# Altium PCB TCM.PcbDoc (part 8 of 10) (continued)
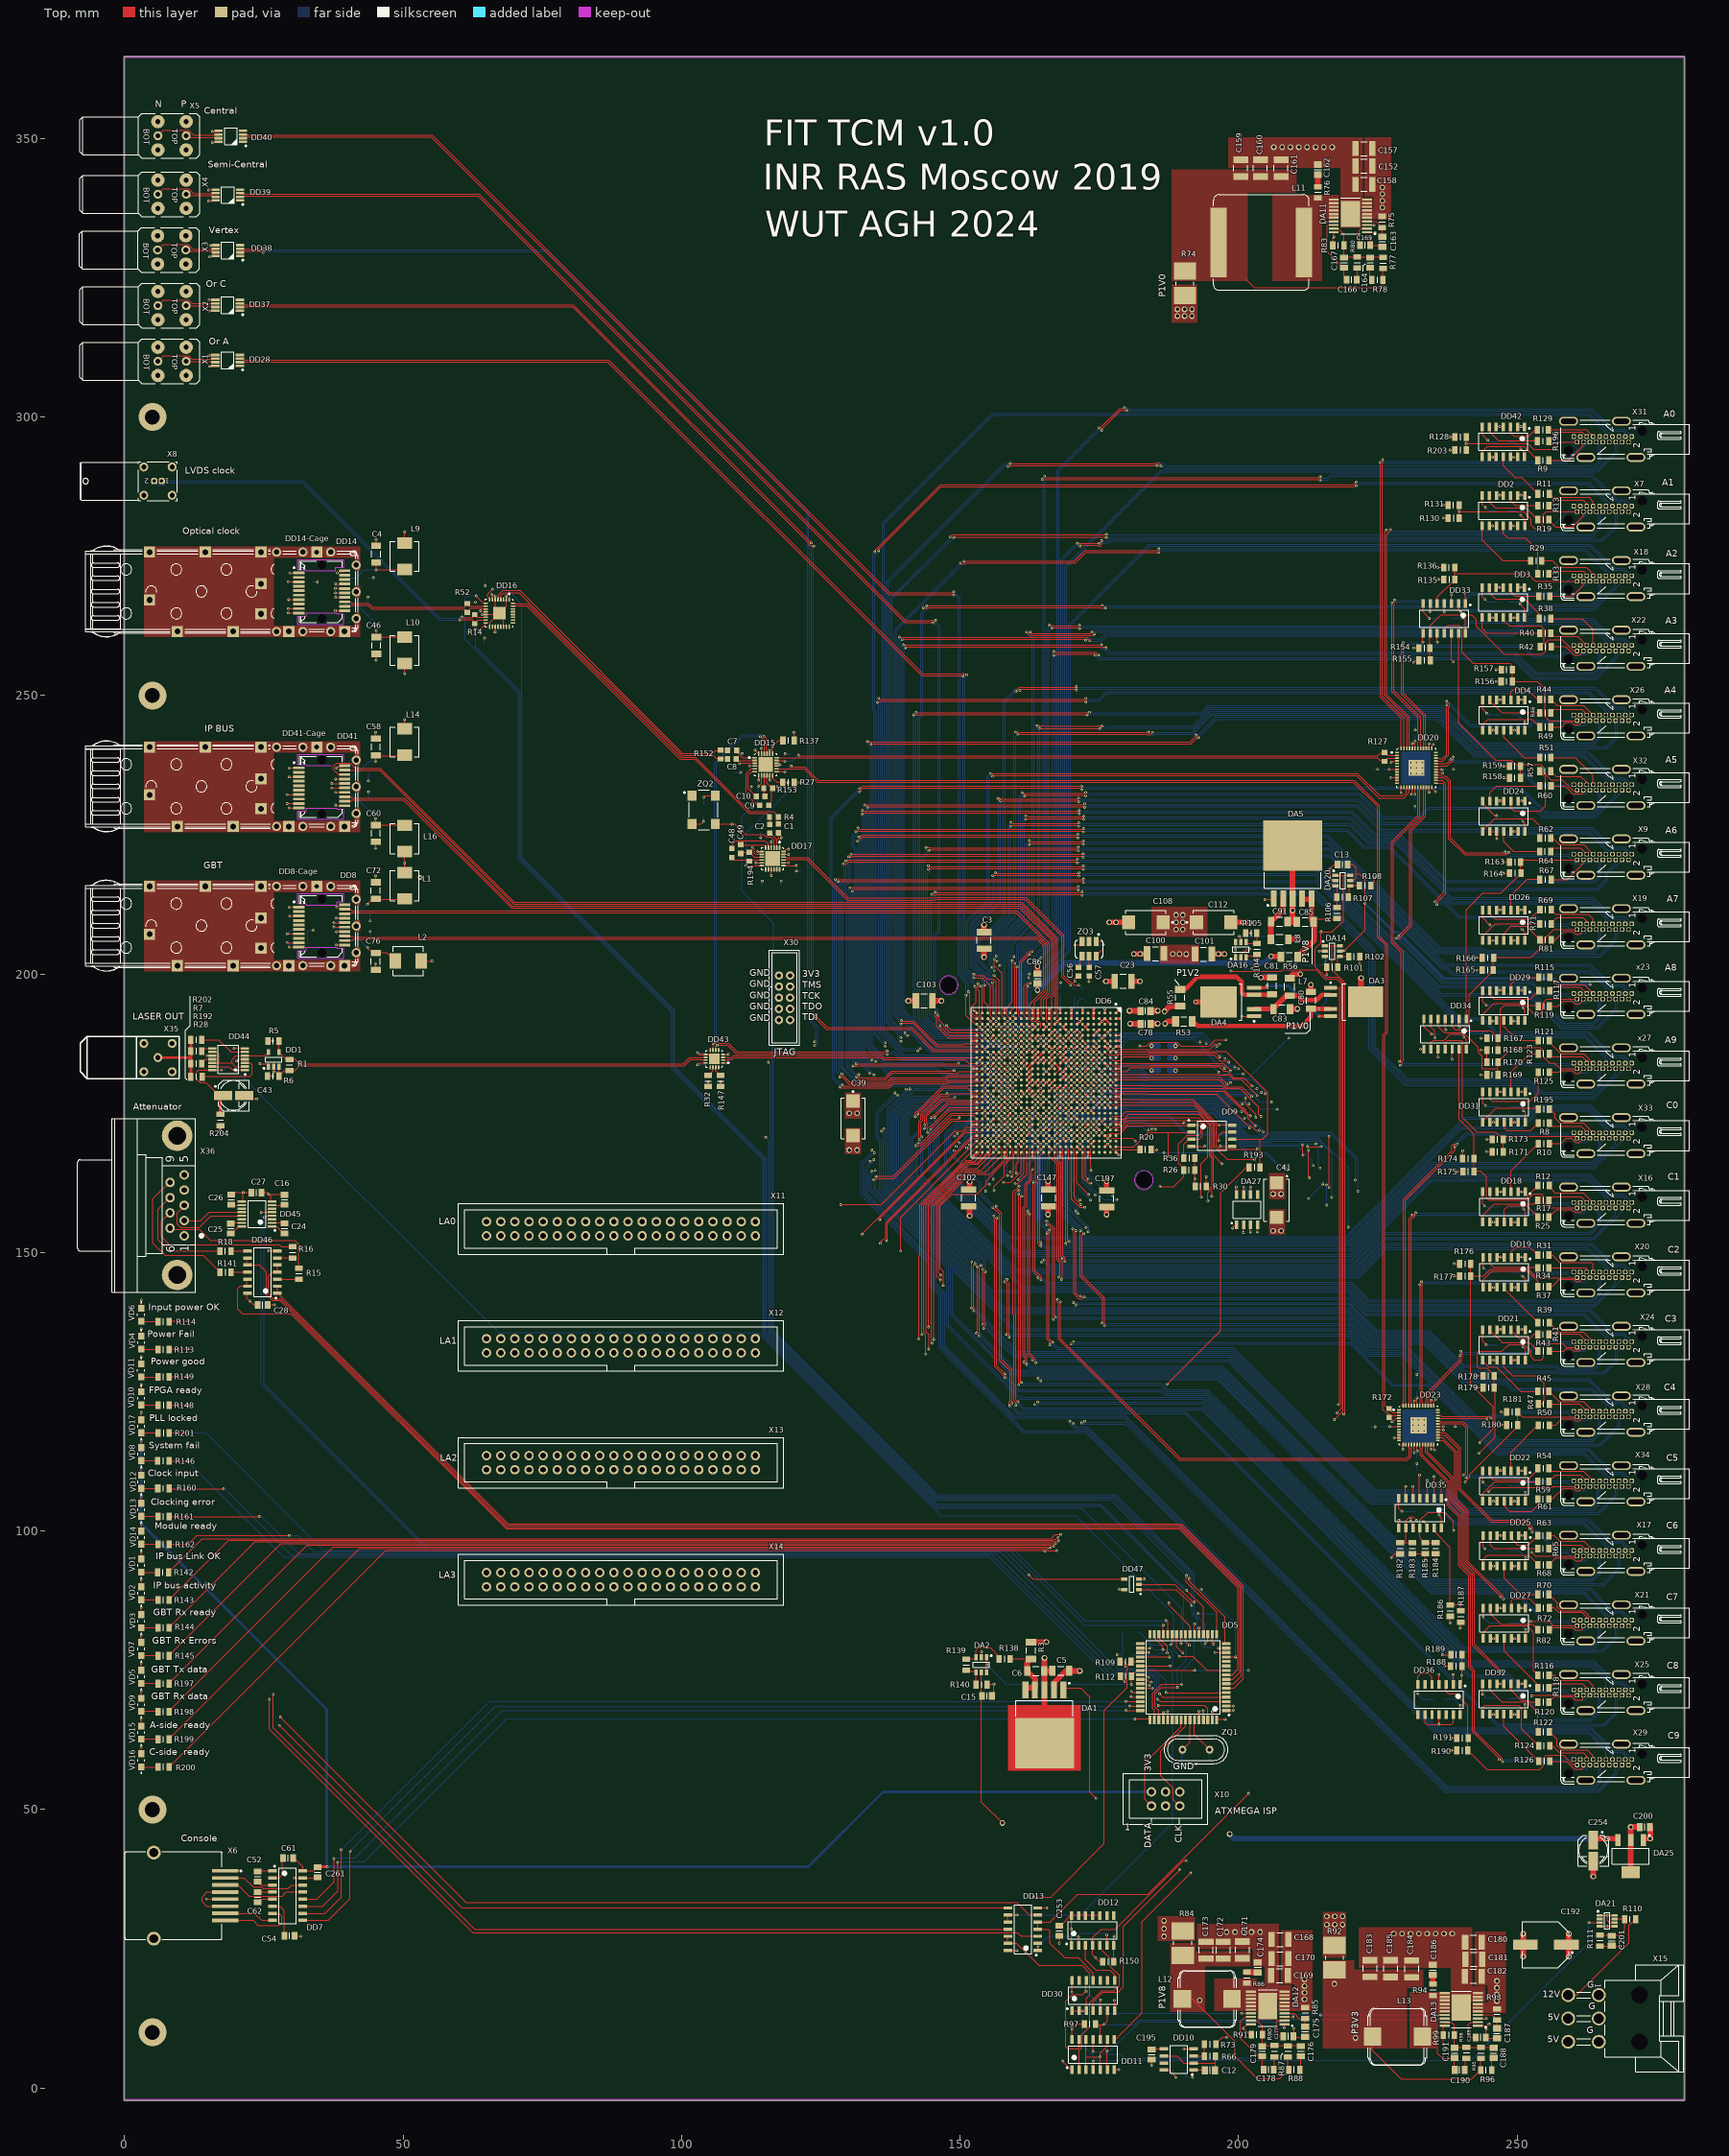
[diagram p0: Top view]
## Nets (pads, with @x,y where several pads share a name; then routed paths per layer and width w, separated by ;. In a path a pad name is that pad's centre, name@x,y a point inside that pad or via, vN(x,y) a via of type N, cw(c..) or ccw(c..) an arc to the next point about the centre after c; other vN are vias at no path point) (continued)
NetR145_2: R145.2 VD7.1 | length 3
  Top w0.15: VD7.1@3,77.65 R145.2@6,77.65
NetR146_2: R146.2 VD8.1 | length 3
  Top w0.15: VD8.1@3,112.65 R146.2@5.977,112.65
NetR148_2: R148.2 VD10.2 | length 3
  Top w0.15: VD10.2@3,122.65 R148.2@6,122.65
NetR149_2: R149.2 VD11.2 | length 3
  Top w0.15: VD11.2@3,127.65 R149.2@5.977,127.65
NetR160_2: R160.2 VD12.1 | length 3
  Top w0.15: VD12.1@3,107.65 R160.2@5.977,107.65
NetR161_2: R161.2 VD13.1 | length 3
  Top w0.15: VD13.1@3,102.65 R161.2@6,102.65
NetR162_2: R162.2 VD14.1 | length 3
  Top w0.15: VD14.1@3,97.65 R162.2@6,97.65
NetR195_1: R195.1 X33.13 | length 10
  Top w0.15: R195.1@255.831,175.814 256.816,174.829 256.816,174.12 257.689,173.247 261.923,173.247 X33.13@263.67,171.5
NetR196_1: R196.1 X31.15 | length 7.8
  Top w0.15: R196.1@255.769,295.737 255.945,295.737 257.548,297.34 261.675,297.34 X31.15@262.515,296.5
NetR197_2: R197.2 VD5.1 | length 3
  Top w0.15: VD5.1@3,72.65 R197.2@6,72.65
NetR198_2: R198.2 VD9.1 | length 3
  Top w0.15: VD9.1@3,67.65 R198.2@6,67.65
NetR199_2: R199.2 VD15.1 | length 3
  Top w0.15: VD15.1@3,62.65 R199.2@6,62.65
NetR200_2: R200.2 VD16.1 | length 3
  Top w0.15: VD16.1@3,57.65 R200.2@6,57.65
NetR201_2: R201.2 VD17.1 | length 3
  Top w0.15: VD17.1@3,117.65 R201.2@6,117.65
NetX6_4: X6.4 X6.6 | length 9.1
  Top w0.15: X6.6@17.7,32.64 14.742,32.64 13.915,33.467 13.915,34.305 14.789,35.18 X6.4@17.7,35.18
OrA_N: DD6.AE2 DD28.3 | length 217.8
  Top w0.1: 153.5,195.5 153.5,192.766 154,192.267 DD6.AE2@154,192
  Top w0.2: DD28.3@20.5,310.42 21.3,310.42 21.451,310.269 86.9,310.269 143.3,253.87 150.216,253.87 150.356,254.01 150.762,254.01 151.029,253.742 v1(151.196,253.742) ; v1(153.208,198.324) 153.208,197.222 153.5,196.929 153.5,195.5
  Bot w0.2: v1(151.196,253.742) 151.196,253.464 150.909,253.177 150.909,209.927 150.753,209.771 150.753,200.321 152.749,198.324 v1(153.208,198.324)
OrA_P: DD6.AE3 DD28.2 | length 218.5
  Top w0.1: 152.837,195.5 152.837,194.873 152.17,194.206 152.17,193.795 152.105,193.729 152.105,193.014 152.654,192.465 153.243,192.465 153.525,192.183 153.525,191.475 DD6.AE3@154,191
  Top w0.2: DD28.2@20.5,309.77 21.3,309.77 21.449,309.919 86.755,309.919 143.155,253.52 v1(150.559,253.52) ; v1(152.67,197.776) 152.837,197.609 152.837,195.5
  Bot w0.2: v1(150.559,253.52) 150.559,210.072 150.403,209.916 150.403,200.174 152.67,197.907 v1(152.67,197.776)
OrB_N: DD6.AF8 DD37.3 | length 237.9
  Top w0.1: 150.5,186.15 152.85,186.15 DD6.AF8@153,186
  Top w0.2: DD37.3@20.541,320.352 20.625,320.269 21.481,320.269 21.59,320.16 80.552,320.16 v1(123.312,277.4) ; v1(123.9,192.06) 124.04,192.06 124.04,192.055 126.021,190.074 141.238,190.074 145.16,186.153 150.347,186.153 150.35,186.15 150.5,186.15
  Bot w0.2: v1(123.312,277.4) 123.303,277.392 123.303,277.096 123.21,277.003 123.21,276.597 123.35,276.457 123.35,192.547 123.837,192.06 v1(123.9,192.06)
OrB_P: DD6.AE8 DD37.2 | length 238.3
  Top w0.1: 150.5,186.5 153.5,186.5 DD6.AE8@154,186
  Top w0.2: DD37.2@20.541,319.702 21.341,319.702 21.449,319.81 80.407,319.81 122.608,277.608 122.822,277.395 122.822,277.197 123.109,276.91 123.59,276.91 v1(123.7,276.8) ; v1(123.9,192.69) 124.04,192.55 124.185,192.55 124.39,192.345 124.39,192.2 126.166,190.424 141.383,190.424 145.305,186.503 150.492,186.503 150.495,186.5 150.5,186.5
  Bot w0.2: v1(123.7,276.8) 123.7,192.89 v1(123.9,192.69)
OVERTEMPn: DA27.6 DD30.4 R151.1 | length 166.2
  Top w0.15: DD30.4@173.924,13.87 173.924,15.524 175.6,17.2 178.34,17.2 179.3,18.16 179.3,29.054 v1(189.446,39.2) ; DA27.6@202.17,160.191 v1(202.17,161.678)
  L3 w0.15: v1(189.446,39.2) 189.658,39.2 197.2,46.742 197.2,61.4 194.7,63.9 194.7,68.2 196.944,70.444 196.944,156.453 v1(202.17,161.678)
  Bot w0.15: R151.1@202.026,162.998 202.026,161.822 v1(202.17,161.678)
P1V0: C97.2 C98.2 C99.2 C100.2 C101.2 C108.1 C112.1 DD6.J9 DD6.K8 DD6.K10 DD6.K12 DD6.K14 DD6.L9 DD6.L13 DD6.L15 DD6.M8 DD6.M14 DD6.N9 DD6.N13 DD6.N15 DD6.P14 DD6.R13 DD6.R15 DD6.T12 DD6.T14 DD6.U13 DD6.U15 R74.2 | length 17.8
  Top w0.4: DD6.U15@162,179 v1(162.5,179.5) ; DD6.U13@162,181 v1(162.5,181.5) DD6.T12@163,182 ; DD6.T14@163,180 v1(163.5,180.5) DD6.R13@164,181 ; DD6.R15@164,179 v1(164.5,179.5) ; DD6.P14@165,180 v1(165.5,180.5) DD6.N13@166,181 ; DD6.N15@166,179 v1(166.5,179.5) DD6.M14@167,180 ; DD6.N9@166,185 v1(166.5,185.5) DD6.M8@167,186 ; DD6.L15@168,179 v1(168.5,179.5) DD6.K14@169,180 ; DD6.L13@168,181 v1(168.5,181.5) DD6.K12@169,182 ; DD6.L9@168,185 v1(168.5,185.5) DD6.K8@169,186 ; DD6.K10@169,184 v1(169.5,184.5) DD6.J9@170,185
  Bot w1: v3(184.4,182.7) C98.2@185.624,182.7 ; v3(184.4,184.9) C97.2@185.6,184.9 ; v3(184.4,187.1) C99.2@185.6,187.1
  other v2: 190.6,203.58 188.2,203.6 189.4,203.6 188.8,208 190,208 188.8,209.3 190,209.3 188.8,210.6 190,210.6 189.019,318.133 190.319,318.133 191.619,318.133 189.019,319.333 190.319,319.333 191.619,319.333
P1V0_LDO: C78.2 DD6.C6 DD6.E6 DD6.G6 DD6.J6 DD6.L6 R53.2 | length 7.5
  Top w0.15: DD6.C6@176,187.9 DD6.C6@176,188
  Top w0.4: DD6.L6@168,188 v1(168.5,187.5) ; DD6.J6@170,188 v1(170.5,187.5) ; DD6.G6@172,188 v1(172.5,187.5) ; DD6.E6@174,188 v1@174.485,187.515 ; DD6.C6@176,188 v1(176.5,187.5)
  Top w1: v2(180.542,191.072) C78.2@182.3,191.072 ; v2(186.8,191.072) 187.269,191.541 R53.2@188.7,191.541
  other v1: 174.5,187.5
P1V0_LDO_2: C80.2 DA3.4 R53.1 R100.2 | length 30.7
  Top w0.8: R53.1@191.8,191.541 192.641,190.7 211.4,190.7 213,192.3 213,193.75 213.02,193.73 v1(214.4,193.73) DA3.4@216.45,193.73
  Bot w0.15: v1(214.4,193.73) 215.8,195.13 R100.2@215.8,196.7
P1V0_PG: DA11.17 DD11.4 DD30.5 R79.1 | length 446.4
  Top w0.15: DD11.4@173.895,3.299 173.918,3.322 v1(173.918,4.85) ; DD30.5@175.194,13.87 175.224,13.9 v1(175.224,15.84) ; v1(215.628,334.924) 215.837,335.133 DA11.17@217.119,335.133
  L3 w0.15: v1(175.224,15.84) 175.224,6.546 173.918,5.24 v1(173.918,4.85) 183.923,4.85 184.207,4.565 244.265,4.565 254.161,14.461 254.161,306.038 225.276,334.924 v1(215.628,334.924)
  Bot w0.15: v1@175.177,15.887 v1(175.224,15.84) ; v1(215.628,334.924) 218.507,334.924 218.718,335.135 R79.1@218.719,335.133
P1V0LDO_P3V3_PG: DA13.17 DA14.1 DA14.6 DD11.10 DD30.6 R97.1 | length 268.7
  Top w0.15: R97.1@174.319,11.52 174.46,11.38 175.189,11.38 ; DD11.10@175.165,8.799 175.165,11.356 175.189,11.38 ; v1@175.815,11.38 175.189,11.38 ; v1@175.831,11.396 176.464,12.029 DD30.6@176.464,13.87 ; DA14.1@215.708,205.057 216.8,205.057 ; DA14.6@217.958,205.057 216.8,205.057 ; v1(218.9,120.987) 219.1,121.187 219.1,198.47 216.8,200.77 216.8,205.057 ; v1(235.774,13.127) DA13.17@237.034,13.127
  L3 w0.15: v1(214.7,13.127) 216.627,13.127 221,17.5 221,38.8 218.9,40.9 v1(218.9,120.987)
  Bot w0.15: v1(175.848,11.379) 181.273,11.379 182.102,12.209 205.809,12.209 206.832,13.232 211.995,13.232 212.1,13.127 v1(214.7,13.127) v1(235.774,13.127)
P1V2_LDO: C84.2 DD6.B3 DD6.C2 DD6.D3 DD6.G2 DD6.H3 DD6.L2 DD6.M3 DD6.M5 R24.1 R55.2 | length 28.4
  Top w0.15: DD6.M5@167,189 v1(167.5,189.5)
  Top w0.4: DD6.M3@167,191 v1(167.5,191.5) DD6.L2@168,192 ; DD6.H3@171,191 v1(171.5,191.5) DD6.G2@172,192 ; DD6.D3@175,191 v1(175.5,191.5) DD6.C2@176,192 DD6.B3@177,191
  Top w1: v2(180.4,193.4) C84.2@182.3,193.4 ; v2(186.724,193.3) 187.624,194.2 R55.2@189.5,194.2
  L3 w0.1: v1(167.5,191.5) 167.5,195.5
  L3 w0.15: 167.5,195.5 167.5,197.9 v1(168.1,198.5)
  Bot w0.1: 167.113,195.5 167.113,191.092 167.5,190.705 v1(167.5,189.5)
  Bot w0.15: 167.113,195.5 167.113,197.024 167.789,197.7 168.1,197.7 v1(168.1,198.5)
P1V2_LDO_2: C81.2 DA4.4 R55.1 R103.2 | length 23.9
  Top w0.2: v1(200.765,196.435) 202.752,196.3 202.779,196.299 DA4.4@202.75,196.27
  Top w0.8: R55.1@189.5,197.3 190.49,197.3 192.701,199.511 199.673,199.511 200.6,198.584 200.6,196.6 200.93,196.27 202.75,196.27 C81.2@206,196.27
  Bot w0.15: R103.2@200.757,198.362 200.765,198.354 v1(200.765,196.435)
P1V8: C3.2 C39.1 C102.2 C103.2 C217.2 C218.2 C219.2 C220.2 C221.2 C222.2 C223.2 C224.2 DD6.AA1 DD6.AA11 DD6.AB8 DD6.AB18 DD6.AC5 DD6.AC15 DD6.AD2 DD6.AD12 DD6.AE9 DD6.AE19 DD6.AF6 DD6.AF16 DD6.E8 DD6.L11 DD6.M10 DD6.M12 DD6.P8 DD6.P10 DD6.R9 DD6.T8 DD6.T10 DD6.U3 DD6.U11 DD6.V10 DD6.W7 DD6.W17 DD6.Y4 DD6.Y14 DD20.7 DD20.18 DD20.24 DD20.30 DD20.37 DD20.43 DD23.7 DD23.18 DD23.24 DD23.30 DD23.37 DD23.43 R84.2 | length 51
  Top w0.15: DD6.M12@167,182 DD6.L11@168,183 ; v1(227.179,118.756) 227.182,118.753 DD23.7@228.805,118.753 ; DD20.7@228.453,236.754 v1@227.02,236.754 ; v1(231.702,241.839) 231.702,240.505 DD20.43@231.703,240.504 ; v1(231.703,232.264) DD20.18@231.703,233.504 ; v1(232.049,123.895) 232.055,123.889 DD23.43@232.055,122.503 ; v1(232.054,114.386) DD23.18@232.054,115.502 ; DD20.24@234.703,233.504 234.703,233.414 v1(235.39,232.726) ; DD20.37@234.703,240.504 234.703,240.998 v1(234.947,241.242) ; DD23.24@235.055,115.503 235.055,114.698 v1(235.206,114.547) ; DD23.37@235.055,122.503 235.055,123.28 v1(235.445,123.67) ; DD20.30@235.453,236.754 235.477,236.73 v1(236.571,236.73) ; DD23.30@235.805,118.753 v1(236.773,118.753) ; v1(227.019,236.755) v1@227.02,236.754
  Top w0.4: v1@151.957,188 DD6.AF6@153,188 ; v1(152.1,178) 152.93,178 DD6.AF16@152.965,178.035 ; v1(153.5,184.5) DD6.AE9@154,185 ; DD6.AE19@154,175 v1(154.5,175.5) ; DD6.AD12@155,182 v5(155.5,182.5) ; DD6.AD2@155,192 v1(155.5,191.5) ; v1(155.5,188.5) DD6.AC5@156,189 ; DD6.AC15@156,179 v1(156.5,179.5) ; DD6.AB18@157,176 v1(157.5,176.5) ; DD6.AB8@157,186 v1(157.5,185.5) ; DD6.AA11@158,183 v1(158.5,182.5) ; DD6.AA1@158,193 v1(158,193.8) ; DD6.Y14@159,180 v1(159.5,179.5) ; DD6.Y4@159,190 v1(159.5,190.5) ; DD6.W17@160,177 v1(160.5,176.5) ; DD6.W7@160,187 v1(160.5,187.5) ; DD6.V10@161,184 v1(161.5,184.5) ; DD6.U11@162,183 DD6.T10@163,184 v1(163.5,184.5) DD6.R9@164,185 DD6.P8@165,186 ; DD6.U3@162,191 v1(162.5,190.5) ; DD6.T8@163,186 v1(163.5,186.5) ; DD6.P10@165,184 v1(165.5,184.5) ; v1(166.5,183.5) DD6.M10@167,184 DD6.L11@168,183 ; v1(173.5,186.5) DD6.E8@174,186
  Top w1: C103.2@145.1,195.2 v2(146.658,195.2) ; C102.2@151.717,161.276 v2(151.717,162.676) ; v2(154.319,203.015) C3.2@154.319,204.35
  Bot w0.15: C219.2@225.606,118.741 225.62,118.756 v1(227.179,118.756) ; C217.2@226.108,236.755 v1(227.019,236.755) ; v1(231.702,241.839) 231.702,242.775 C222.2@231.712,242.785 ; v1(231.703,232.264) 231.703,231.279 C221.2@231.717,231.265 ; C218.2@232.048,113.133 232.054,113.14 v1(232.054,114.386) ; C223.2@232.047,125.164 232.049,125.162 v1(232.049,123.895) ; v1(236.571,236.73) 237.53,236.73 C220.2@237.563,236.763 ; v1(236.773,118.753) 237.796,118.753 237.8,118.756 C224.2@237.814,118.741
  other v1: 152,188
  other v2: 186.653,27.223 186.653,28.623 186.653,30.023 130.1,175 131.5,175
P1V8_2: C171.2 C172.2 C173.2 L7.1 L12.2 R84.1 R87.1 R88.2 | length 31.9
  Top w0.15: L12.2@189.912,16.014 191.686,16.014 199.4,8.3 199.4,5.639 203.339,1.7 207.4,1.7 209,3.3 208.853,3.447 R87.1@208.853,5.614
  Top w1: L7.1@209.1,199.25 209.85,200 v2(211.1,200)
  other v2: 193,15.744
P1V8_2_F: C83.2 DA3.2 DA4.2 L7.2 | length 15.4
  Top w0.8: DA4.2@202.75,193.73 206.18,193.73 C83.2@206.2,193.75 ; L7.2@209.1,196.15 210.55,196.15 211.34,195.36 214.06,195.36 214.97,196.27 DA3.2@216.45,196.27
  Top w1: C83.2@206.2,193.75 208.6,196.15 L7.2@209.1,196.15
P1V8_LDO: C86.2 DD6.N6 R56.2 | length 57.7
  Top w0.15: DD6.N6@166.08,187.92 DD6.N6@166.08,188.08
  Top w0.4: DD6.N6@166.08,188.08 v1(166.5,188.5)
  Top w0.5: v2(163.9,197.1) C86.2@163.9,198.2 ; R56.2@207.555,203.171 R56.2@207.573,203.153
  Top w1: v2(205.863,203.171) R56.2@207.555,203.171
  L3 w0.5: v2(163.9,197.1) 164.7,196.3 164.7,190.3 v1(166.5,188.5)
  Bot w1: v2(163.9,197.1) 168.8,202 204.692,202 v2(205.863,203.171)
P1V8_LDO_2: C85.2 DA5.4 DA5.5 R56.1 R106.2 | length 18
  Top w0.15: C85.2@213.085,209.811 213.205,209.93 R106.2@217.711,209.93
  Top w1: R56.1@210.673,203.153 213.585,206.065 213.585,208.036 213.585,209.311 213.085,209.811 213.085,213.411 DA5.4@211.385,213.411
P1V8_PG: DA12.17 DD11.13 DD30.12 R89.1 | length 52.6
  Top w0.15: DD11.13@171.354,8.8 171.355,8.799 171.355,7.215 171.221,7.081 169.289,7.081 168.976,7.394 168.976,15.542 170.184,16.749 170.577,16.749 172.012,16.749 v1(172.643,17.38) 172.643,19.359 DD30.12@172.654,19.37
  Top w0.2: v1(200.553,13.414) DA12.17@202.273,13.414
  Bot w0.15: v1(172.643,17.38) 176.609,13.414 v1(200.553,13.414)
  Bot w0.2: v1(200.553,13.414) R89.1@203.148,13.414
P2V5: C147.2 DD6.K24 DD6.N25 DD6.P22 DD6.R19 DD6.T16 DD6.T26 R3.2 | length 8.6
  Top w0.4: v1(163,167.2) DD6.T26@163,168 ; DD6.T16@163,178 v1(163.5,178.5) ; DD6.R19@164,175 v1(164.5,174.5) ; DD6.P22@165,172 v1(165.5,172.5) ; DD6.N25@166,169 v1(166.5,168.5) ; v1(168.5,170.5) DD6.K24@169,170
  Top w1: R3.2@162.7,80.1 v2(165.5,80.1) ; C147.2@165.8,161.3 v2(165.8,162.76)
P2V5_2: C6.2 DA1.4 DA1.5 R3.1 R138.2 | length 11.5
  Top w0.15: R138.2@159,77.1 162.6,77.1 R3.1@162.7,77
  Top w1: DA1.5@161.759,71.845 163.459,71.845 163.5,71.886 163.5,73.459 162.059,74.9 162.059,76.359 R3.1@162.7,77
P2V5_P1V8LDO_P1V2LDO_PG: DA2.1 DA2.6 DA16.1 DA16.6 DA20.1 DA20.6 DD5.39 DD13.4 DD13.5 DD30.11 R112.1 | length 316.6
  Top w0.15: DA2.6@154.8,74.863 DA2.1@154.8,77.113 ; DD30.11@173.924,19.37 173.924,20.691 171.241,23.374 168.768,23.374 166.16,25.982 166.16,28.186 165.82,28.526 164.026,28.526 164.026,29.796 166.137,29.796 171.141,34.8 183.7,34.8 v1(201.8,52.9) ; v1(180.769,72.472) 180.769,73.96 181.791,74.982 182.586,74.982 192.068,74.982 v1(192.086,75) ; DA16.1@199.458,203.28 v1(199.458,204.4) DA16.6@199.458,205.53 ; v1(217.2,120) 218.8,121.6 218.8,198.346 217.711,199.435 215.656,199.435 213.8,201.291 213.8,204.6 214.8,205.6 v1(214.8,207.6) 216.825,207.6 218.811,209.586 218.811,217.729 218.805,217.736 ; DA20.1@217.622,217.736 218.805,217.736 ; DA20.6@219.872,217.736 218.805,217.736
  L3 w0.15: v1(199.458,204.4) 200.8,204.4 204,207.6 v1(214.8,207.6) ; v1(201.8,52.9) v1(201.8,75) 217.2,90.4 v1(217.2,120)
  Bot w0.15: v1(154.8,76) 158.327,72.472 v1(180.769,72.472) ; v1(192.086,75) v1(201.8,75)
P3V3: C16.2 C17.2 C18.2 C19.2 C20.2 C21.2 C22.2 C23.2 C27.2 C29.2 C41.1 C45.2 C53.2 C55.2 C67.2 C71.2 C193.2 C196.2 C197.2 C198.2 C199.2 C215.2 C216.2 C225.2 C226.2 C227.2 C228.2 C230.2 C231.2 C232.2 C238.2 C240.2 C241.2 C262.2 DD1.1 DD2.14 DD3.14 DD4.14 DD6.A11 DD6.A21 DD6.AA21 DD6.AC25 DD6.AD22 DD6.AF26 DD6.B8 DD6.B18 DD6.C15 DD6.C25 DD6.D12 DD6.D22 DD6.E9 DD6.E19 DD6.F16 DD6.F26 DD6.G13 DD6.G23 DD6.H10 DD6.H20 DD6.J17 DD6.L7 DD6.L21 DD6.M18 DD6.P7 DD6.T5 DD6.T6 DD6.U23 DD6.V20 DD6.Y24 DD9.8 DD18.14 DD19.14 DD21.14 DD22.14 DD24.14 DD25.14 DD26.14 DD27.14 DD28.8 DD29.14 DD31.14 DD32.14 DD33.14 DD34.14 DD35.14 DD36.14 DD37.8 DD38.8 DD39.8 DD40.8 DD42.14 DD43.12 DD45.8 DD47.5 L1.1 L2.1 L3.1 L5.1 L6.1 L9.1 L10.1 L14.1 L16.1 R2.2 R21.2 R22.2 R23.2 R26.2 R27.2 R30.2 R36.2 R48.2 R92.2 R130.2 R132.2 R133.2 R134.2 R135.2 R137.2 R147.1 R154.2 R156.2 R158.2 R163.2 R165.2 R167.2 R169.2 R171.2 R174.2 R176.2 R178.2 R180.2 R182.2 R184.2 R186.2 R188.2 R190.2 R203.2 VD1.2 VD2.2 VD3.2 VD5.2 VD7.2 VD9.2 VD15.2 VD16.2 VD17.2 X30.2 ZQ2.4 ZQ3.1 ZQ3.6 | length 225.8
  Top w0.15: VD16.2@3,60 VD16.2@3,60.005 v1(3,61.3) ; VD15.2@3,65 v1(3,66.3) ; VD9.2@3,70 v1(3,71.3) v1@3,71.416 ; VD5.2@3,75 VD5.2@3,75.003 v1(3,76.3) ; VD7.2@3,80 v1(3,81.3) ; VD3.2@3,85 v1(3,86.3) ; VD2.2@3,90 VD2.2@3,90.014 v1(3,91.3) ; v1(3,96.3) 3,95.05 VD1.2@3.1,94.95 ; VD17.2@3,120 v1(3,121.3) ; v1(15.067,338.758) 15.139,338.83 DD39.8@16.55,338.83 ; v1(15.193,319.052) DD37.8@16.541,319.052 ; v1(15.261,309.104) 15.277,309.12 DD28.8@16.5,309.12 ; v1(15.303,328.8) 16.534,328.8 DD38.8@16.545,328.811 ; v1(15.761,349.311) DD40.8@17.081,349.311 ; v1(24.3,183.9) 25.6,183.9 DD1.1@25.8,183.7 ; v1(50.28,279.334) 50.287,279.326 L9.1@50.287,277.461 ; v1(50.287,253.963) 50.293,253.969 L10.1@50.293,255.67 ; v1(50.3,219.94) L16.1@50.3,221.9 ; L14.1@50.3,244.1 v1(50.3,245.7) ; v1(104,231.7) 104.3,232 ZQ2.4@106.1,232 ; R147.1@107,179.8 v1(107,180.7) ; R27.2@120.207,234.393 v1(121.207,234.393) ; R137.2@120.207,241.952 v1(120.207,243.4) ; v1(162.5,188.5) DD6.T5@163,189 ; v1(178.6,89.5) DD47.5@179.65,89.5 ; R36.2@192.169,166.955 192.169,164.843 192.169,163.271 v1(192.176,163.264) 192.176,161.847 192.195,161.827 R30.2@192.2,161.822 ; v1(227.4,95.2) 228.1,95.9 R182.2@229,95.9 ; v1(231.467,258.551) 231.481,258.564 R154.2@232.382,258.564 ; v1(235.4,94.7) R184.2@235.4,95.9 ; v1(235.839,270.866) 235.86,270.845 R135.2@236.857,270.845 ; v1(236.034,102.848) 236.4,102.482 DD35.14@236.4,100.473 ; v1(236.764,281.889) 236.756,281.881 236.764,281.881 R130.2@237.622,281.881 ; v1(237.034,75.8) R188.2@238.1,75.8 ; v1(237.972,294.094) R203.2@238.855,294.094 ; v1(238,83.5) R186.2@238,84.7 ; v1(238.171,60.62) 238.186,60.606 R190.2@239.195,60.606 ; v1(238.705,147.984) R176.2@239.73,147.984 ; DD36.14@239.82,67.052 239.82,68.702 v1(239.836,68.717) ; R174.2@240.248,166.931 240.248,168.265 v1(240.255,168.273) ; v1@240.358,263.959 v1(240.358,263.949) 240.757,263.55 DD33.14@240.757,261.105 ; v1(240.418,188.743) 240.899,188.262 DD34.14@240.899,186.498 ; v1(242.692,200.68) 242.649,200.723 R165.2@243.746,200.723 ; v1(242.886,127.909) 242.893,127.916 R178.2@243.898,127.916 ; v1(243.491,181.909) R169.2@244.584,181.909 ; v1(243.544,188.495) 244.588,188.495 R167.2@244.59,188.493 ; v1(244.529,168.119) 244.556,168.092 R171.2@245.518,168.092 ; v1(246.23,252.536) R156.2@247.186,252.536 ; v1(247.145,119.073) 247.152,119.065 R180.2@248.125,119.065 ; v1(247.543,220.165) R163.2@248.648,220.165 ; v1(247.624,235.251) R158.2@248.612,235.251 ; v1(250.554,266.418) 251.35,265.622 DD3.14@251.35,263.971 ; v1(250.679,282.354) 251.369,281.664 DD2.14@251.369,280.469 ; v1(250.679,294.27) 251.352,293.596 DD42.14@251.352,292.797 ; v1(250.934,207.976) 251.426,207.485 DD26.14@251.426,206.028 ; v1(251.023,145.733) 251.5,145.256 DD19.14@251.5,143.733 ; v1(251.053,133.063) 251.471,132.646 DD21.14@251.471,130.696 ; v1(251.062,227.364) 251.434,226.992 DD24.14@251.434,225.602 ; v1(251.129,193.894) 251.426,193.597 DD29.14@251.426,191.576 ; v1(251.194,157.845) 251.488,157.551 DD18.14@251.488,155.438 ; v1(251.218,175.446) 251.475,175.19 DD31.14@251.475,173.4 ; DD4.14@251.359,243.794 251.359,245.22 v1(251.407,245.267) ; DD32.14@251.464,67.092 251.477,67.104 v1(251.477,68.825) ; DD22.14@251.484,105.351 v1(251.484,106.95) ; DD27.14@251.516,80.7 251.528,80.712 251.535,80.719 v1(251.535,82.374) ; DD25.14@251.516,93.713 v1(251.516,95.203)
  Top w0.2: C27.2@24.7,160.8 25.6,160.8 v1(25.9,160.5) v1@25.93,160.47 ; DD45.8@26.3,159.14 26.3,160.1 v1@25.93,160.47 ; C16.2@28.7,160.47 v1@25.93,160.47 ; L1.1@50.3,218.32 v1(50.3,219.94) ; L2.1@53.4,202.35 v1(55.2,202.35) ; v1(102.9,183.7) 103.25,184.05 DD43.12@104.35,184.05 DD43.12@104.4,184.05 ; ZQ3.6@174.439,203.216 175.739,204.516 v1(175.739,205.257) 175.739,205.521 175.444,205.816 ZQ3.1@174.439,205.816 ; v1(196.5,172.9) DD9.8@198.2,172.9
  Top w0.4: v1(152.3,167.3) DD6.AF26@153,168 ; DD6.AD22@155,172 v1(155.5,172.5) ; DD6.AC25@156,169 v1(156.5,168.5) ; DD6.AA21@158,173 v1(158.5,173.5) ; v1(158.5,170.5) DD6.Y24@159,170 ; DD6.V20@161,174 v1(161.5,174.5) ; DD6.U23@162,171 v1(162.5,171.5) ; v1(162.5,188.5) DD6.T6@163,188 ; DD6.P7@165,187 v1(165.5,187.5) ; DD6.M18@167,176 v1(167.5,176.5) ; v1(167.5,186.5) DD6.L7@168,187 ; DD6.L21@168,173 v1(168.5,173.5) ; DD6.J17@170,177 v1(170.5,177.5) ; v1(170.5,174.5) DD6.H20@171,174 ; v1(170.5,183.5) DD6.H10@171,184 ; v1(171.5,171.5) DD6.G23@172,171 ; v1(171.5,180.5) DD6.G13@172,181 ; v1(172.5,178.5) DD6.F16@173,178 ; v1(173,167.2) DD6.F26@173,168 ; v1(173.5,175.5) DD6.E19@174,175 ; v1(173.5,184.5) DD6.E9@174,185 ; v1(174.5,172.5) DD6.D22@175,172 ; DD6.D12@175,182 v1(175.5,181.5) ; v1(175.5,179.5) DD6.C15@176,179 ; DD6.C25@176,169 v1(176.5,169.5) ; v1(176.5,176.5) DD6.B18@177,176 ; DD6.B8@177,186 v1(177.5,186.5) ; DD6.A21@178,173 v1(178.8,173) ; DD6.A11@178,183 v1(178.8,183)
  Top w1: C197.2@176.3,161.3 v2(176.3,162.76) ; C23.2@180.9,198.7 v2(182.3,198.7)
  Bot w0.15: v1(15.067,338.758) 15.076,338.767 C215.2@16.6,338.767 ; v1(15.193,319.052) 16.586,319.052 C193.2@16.6,319.066 ; v1(15.261,309.104) 16.562,309.104 C226.2@16.6,309.066 ; v1(15.303,328.8) 15.319,328.784 C262.2@16.8,328.784 ; v1(15.761,349.311) 15.786,349.286 17.281,349.286 C55.2@17.3,349.267 ; v1(24.3,183.9) 25.3,183.9 C232.2@25.4,183.8 ; R2.2@33.632,270.419 34.622,270.419 v1(34.626,270.415) ; L5.1@62.084,266.8 v1(63,266.8) ; v1(102.9,183.7) 104.29,183.7 C22.2@104.4,183.81 ; C238.2@103.953,230.475 104,230.522 v1(104,231.7) ; v1(120.6,218.5) L3.1@121.5,218.5 ; C199.2@174.196,205.257 v1(175.739,205.257) ; v1(178.182,77.812) 178.201,77.831 179.203,77.831 179.215,77.843 R21.2@179.215,81.864 ; v1(192.7,85.2) 194,85.2 R48.2@196.1,85.2 ; C17.2@233.6,103.5 235.382,103.5 v1(236.034,102.848) ; C45.2@237.006,69.838 238.715,69.838 v1(239.836,68.717) ; C196.2@238.067,263.855 240.265,263.855 v1(240.358,263.949) ; C228.2@238.275,189.237 239.924,189.237 v1(240.418,188.743) ; C21.2@248.416,295.629 249.319,295.629 v1(250.679,294.27) ; C231.2@248.447,266.781 250.191,266.781 v1(250.554,266.418) ; C225.2@248.464,283.2 249.834,283.2 v1(250.679,282.354) ; C241.2@248.514,194.476 250.546,194.476 v1(251.129,193.894) ; C198.2@248.553,96.5 250.219,96.5 v1(251.516,95.203) ; C53.2@248.553,108.179 250.256,108.179 v1(251.484,106.95) ; C240.2@248.623,158.225 250.814,158.225 v1(251.194,157.845) ; C216.2@248.648,176.173 250.491,176.173 v1(251.218,175.446) ; C20.2@248.664,83.519 250.389,83.519 v1(251.535,82.374) ; C18.2@248.667,133.386 250.73,133.386 v1(251.053,133.063) ; C19.2@248.676,69.97 250.333,69.97 v1(251.477,68.825) ; C230.2@248.704,208.779 250.131,208.779 v1(250.934,207.976) ; C67.2@248.756,146.534 250.239,146.534 251.041,145.733 v1(251.023,145.733) ; C29.2@248.892,246.61 250.064,246.61 v1(251.407,245.267) ; C227.2@249.418,228.422 250.004,228.422 v1(251.062,227.364)
  Bot w0.2: R134.2@32.9,205.45 32.9,207.85 v1(33.9,207.85) ; L6.1@109.65,236.2 v1(110.607,236.2) ; C71.2@195.1,172.2 195.157,172.2 195.857,172.9 v1(196.5,172.9)
  other v2: 215.874,29.327 217.274,29.327 218.674,29.327 215.874,30.827 217.274,30.827 218.674,30.827 206.218,160.5 207.618,160.5
P3V3_2: C5.2 C183.2 C184.2 C185.2 DA1.2 L8.1 L13.2 R92.1 R95.1 R96.2 | length 118.4
  Top w0.15: L13.2@224.033,9.227 224.033,6.767 229.172,1.627 241.874,1.627 R96.2@243.474,3.227
  Top w0.2: R95.1@243.474,5.327 243.474,3.722 243.721,3.475 243.824,3.372 243.824,3.227 R96.2@243.824,3.083
  Top w1: DA1.2@166.859,71.845 166.859,72.784 168.975,74.9 169.749,74.9 v2(171.5,74.9) ; L8.1@208.907,206.348 208.925,206.329 v2(210.747,206.329)
  L3 w2.5: v2(171.5,74.9) 171.5,51 200.9,21.6 214.3,21.6 v2(217.2,18.7)
  other v2: 221,9
P3V3_LDO: C61.1 C254.1 C255.2 C256.2 C257.2 C258.2 C259.2 C261.2 DA25.3 DA27.8 DD5.15 DD5.25 DD5.35 DD5.45 DD5.53 DD5.61 DD7.16 R109.2 R112.2 R151.2 VD8.2 VD12.2 VD13.2 VD14.2 X10.2 | length 437.7
  Top w0.15: VD14.2@3,100 v1(3,101.3) ; VD13.2@3,105 v1(3,106.3) ; VD12.2@3,110 v1(3,111.3) ; VD8.2@3,115 v1(3,116.3) ; C61.1@30.337,41.394 32.026,39.705 32.026,38.996 33.91,38.996 C261.2@34.646,39.731 ; R112.2@178.769,73.96 178.769,73.763 v1(179.575,72.958) ; R109.2@178.769,76.53 178.713,76.587 179.5,76.587 179.67,76.416 v1(179.67,75.711) ; v1(180.63,70.322) 180.769,70.182 DD5.45@182.586,70.182 ; DD5.35@182.586,78.182 183.815,78.182 v1(183.83,78.197) ; DD5.53@187.286,66.282 v1(187.286,67.595) ; v1(189.686,79.782) DD5.25@189.686,81.282 ; v1(193.676,67.719) 193.686,67.709 DD5.61@193.686,66.282 ; v1(196.392,78.982) DD5.15@197.586,78.982 ; DA27.8@199.6,160.858 v1(199.6,161.744) ; DA27.8@199.63,160.191 v1@199.63,161.714
  Top w0.5: C261.2@34.646,39.731 34.653,39.724 v1(36.401,39.724)
  Top w1: C254.1@263.709,44.77 v2(266.175,44.77) DA25.3@268.109,44.77
  L3 w0.15: v1(196.392,78.982) 196.135,79.239 196.135,158.279 v1(199.6,161.744)
  Bot w0.15: v1(180.63,70.322) 181.366,70.322 C256.2@182.127,69.56 ; C259.2@189.053,81.053 189.053,80.415 v1(189.686,79.782) ; v1(193.676,67.719) 193.676,66.551 C257.2@194.192,66.034 ; v1(196.392,78.982) 196.818,78.982 C258.2@197.52,79.684 ; C255.2@199.7,160.091 199.6,160.191 v1(199.6,161.744) 199.6,162.567 R151.2@200.026,162.994
  Bot w0.5: v1(3,116.3) v1(3,111.3) v1(3,106.3) v1(3,101.3) 36.3,68 v1@36.3,39.8 ; v1@36.401,39.709 122.709,39.709 136.186,53.186 X10.2@184.366,53.186
  Bot w1: v2(198.4,45.6) 199.23,44.77 v2(266.175,44.77)
PDI_CLOCK: DD5.57 X10.5 | length 18.9
  Top w0.15: X10.5@189.446,50.646 188.304,51.788 188.304,53.778 186.019,56.063 186.019,60.553 190.486,65.02 DD5.57@190.486,66.282
PDI_DATA: DD5.56 X10.1 | length 18.8
  Top w0.15: X10.1@184.366,50.646 183.196,51.816 183.196,58.375 189.686,64.865 DD5.56@189.686,66.282
POWER_FAIL: DD12.6 DD13.1 DD13.2 | length 16.7
  Top w0.15: DD13.1@164.026,24.716 DD13.2@164.026,25.986 ; DD12.6@176.351,25.585 v1(176.351,27.449)
  Bot w0.15: v1(164,25.3) 165.983,27.283 170.167,27.283 170.683,27.8 176,27.8 v1(176.351,27.449)
POWER_FAIL_LED: DD13.3 R113.1 | length 233.1
  Top w0.15: R113.1@7.977,132.65 8.027,132.7 v1(11.4,132.7) ; v1(26,69.8) 26,64.4 62.5,27.9 160.3,27.9 160.944,27.256 DD13.3@164.026,27.256
  L3 w0.15: v1(11.4,132.7) 14.7,132.7 26,121.4 v1(26,69.8)
POWER_GOOD: DD11.2 DD12.5 | length 28
  Top w0.15: DD11.2@171.355,3.299 171.355,6.747 171.83,7.222 171.83,9.518 173.3,10.988 173.3,15.324 175.476,17.5 177.7,17.5 178.6,18.4 178.6,20.2 176.9,21.899 176.9,23.299 175.081,25.119 DD12.5@175.081,25.585
POWER_GOOD_LED: DD13.6 R149.1 | length 225.5
  Top w0.15: R149.1@7.977,127.65 8.027,127.7 v1(11.4,127.7) ; v1(28,66.6) 61.3,33.3 160.2,33.3 162.434,31.066 DD13.6@164.026,31.066
  L3 w0.15: v1(11.4,127.7) 17,127.7 25.065,119.635 25.065,69.565 25.05,69.55 v1(28,66.6)
POWER_GOODn: DD12.3 DD30.8 | length 9.8
  Top w0.15: DD12.3@172.541,25.585 172.541,23.079 174.448,21.172 176.894,21.172 177.734,20.332 DD30.8@177.734,19.37
SC_N: DD6.AE5 DD39.3 | length 238.6
  Top w0.1: 150.5,189.5 153.5,189.5 DD6.AE5@154,189
  Top w0.2: DD39.3@20.753,340.188 20.878,340.063 21.496,340.063 21.52,340.038 63.625,340.038 140.22,263.443 144.886,263.443 144.986,263.544 145.392,263.544 145.536,263.401 145.564,263.372 v1@145.635,263.443 ; v1(146.003,192.622) 146.208,192.417 146.208,191.694 147.078,190.825 147.078,190.561 148.139,189.5 150.5,189.5
  Bot w0.2: v1(145.635,263.5) 145.635,263.302 146.392,262.544 146.392,207.583 145.62,206.811 145.62,194.076 145.96,193.736 145.96,193.489 146.1,193.349 146.1,192.72 v1(146.003,192.622)
SC_P: DD6.AE6 DD39.2 | length 239
  Top w0.1: 150.5,188.5 153.5,188.5 DD6.AE6@154,188
  Top w0.2: DD39.2@20.753,339.538 20.878,339.663 21.496,339.663 21.52,339.688 63.48,339.688 140.075,263.093 v1@145.189,263.093 ; v1(145.61,193.146) 145.513,193.049 145.513,192.42 145.85,192.083 145.85,190.556 147.906,188.5 150.5,188.5
  Bot w0.2: v1(145.189,263.054) 145.387,263.054 146.042,262.399 146.042,207.728 145.27,206.956 145.27,193.931 145.61,193.591 v1(145.61,193.146)
TCM_SPI_CLKA_0: DD6.F8 DD42.4 DD42.5 | length 170
  Top w0.1: DD6.F8@173,186 v1(173.5,185.5)
  Top w0.15: DD42.5@246.272,298.297 v1(246.898,298.297) DD42.4@247.542,298.297
  L3 w0.1: v1(173.5,185.5) 174.105,186.105 174.664,186.105 174.895,186.337 174.895,186.454 177.046,188.605 180.5,188.605
  L3 w0.15: 180.5,188.605 180.52,188.625 191.257,188.625 193.667,186.215 213.078,186.215 241.384,214.52 241.384,286.915 245.937,291.468 245.937,291.585 246.898,292.545 v1(246.898,298.297)
TCM_SPI_CLKA_1: DD2.1 DD2.2 DD6.G9 | length 163.6
  Top w0.1: v1(171.5,184.5) DD6.G9@172,185
  Top w0.15: DD2.2@250.099,285.969 v1(250.679,285.969) DD2.1@251.369,285.969
  L3 w0.1: v1(171.5,184.5) 171.942,184.5 172.337,184.895 177.699,184.895 180.381,187.576 180.5,187.576
  L3 w0.15: 180.5,187.576 183.993,187.576 184.141,187.725 190.838,187.725 194.187,184.376 197.79,184.376 198.12,184.706 213.691,184.706 242.884,213.899 242.884,276.486 247.478,281.08 247.478,282.769 v1(250.679,285.969)
TCM_SPI_CLKA_2: DD2.12 DD2.13 DD6.B9 | length 151.4
  Top w0.1: DD6.B9@177,185 177.5,184.5 178.731,184.5 179.43,185.199 180.5,185.199
  Top w0.15: 180.5,185.199 183.815,185.199 184.141,185.525 195.566,185.525 196.715,184.376 198.097,184.376 v1(198.281,184.192) ; DD2.12@248.829,280.469 v1(249.397,280.469) DD2.13@250.099,280.469
  L3 w0.15: v1(198.281,184.192) 198.494,184.406 213.815,184.406 243.184,213.775 243.184,276.335 247.318,280.469 v1(249.397,280.469)
TCM_SPI_CLKA_3: DD3.9 DD3.10 DD6.F10 | length 138.6
  Top w0.1: v1(172.5,184.5) DD6.F10@173,184
  Top w0.15: DD3.9@245,263.971 v1(245.635,263.971) DD3.10@246.27,263.971
  L3 w0.1: v1(172.5,184.5) 172.9,184.1 175.058,184.1 175.253,183.905 175.746,183.905 175.756,183.895 176.664,183.895 176.691,183.867 178.125,183.867 180.243,185.985 180.5,185.985
  L3 w0.15: 180.5,185.985 188.075,185.985 188.217,185.843 189.658,185.843 191.666,183.835 197.817,183.835 197.925,183.727 198.561,183.727 198.939,184.106 213.939,184.106 243.484,213.65 243.484,261.82 v1(245.635,263.971)